# Altium PCB USB_SPI_Flash.PcbDoc
Units mm, origin at the board's own origin, x right, y up, seen from the top; angles counter-clockwise.
Board outline 48 x 25.4 mm, 2 copper layers (Top Layer, Bottom Layer); 28 components, 20 nets, 113 pads, 38 vias.
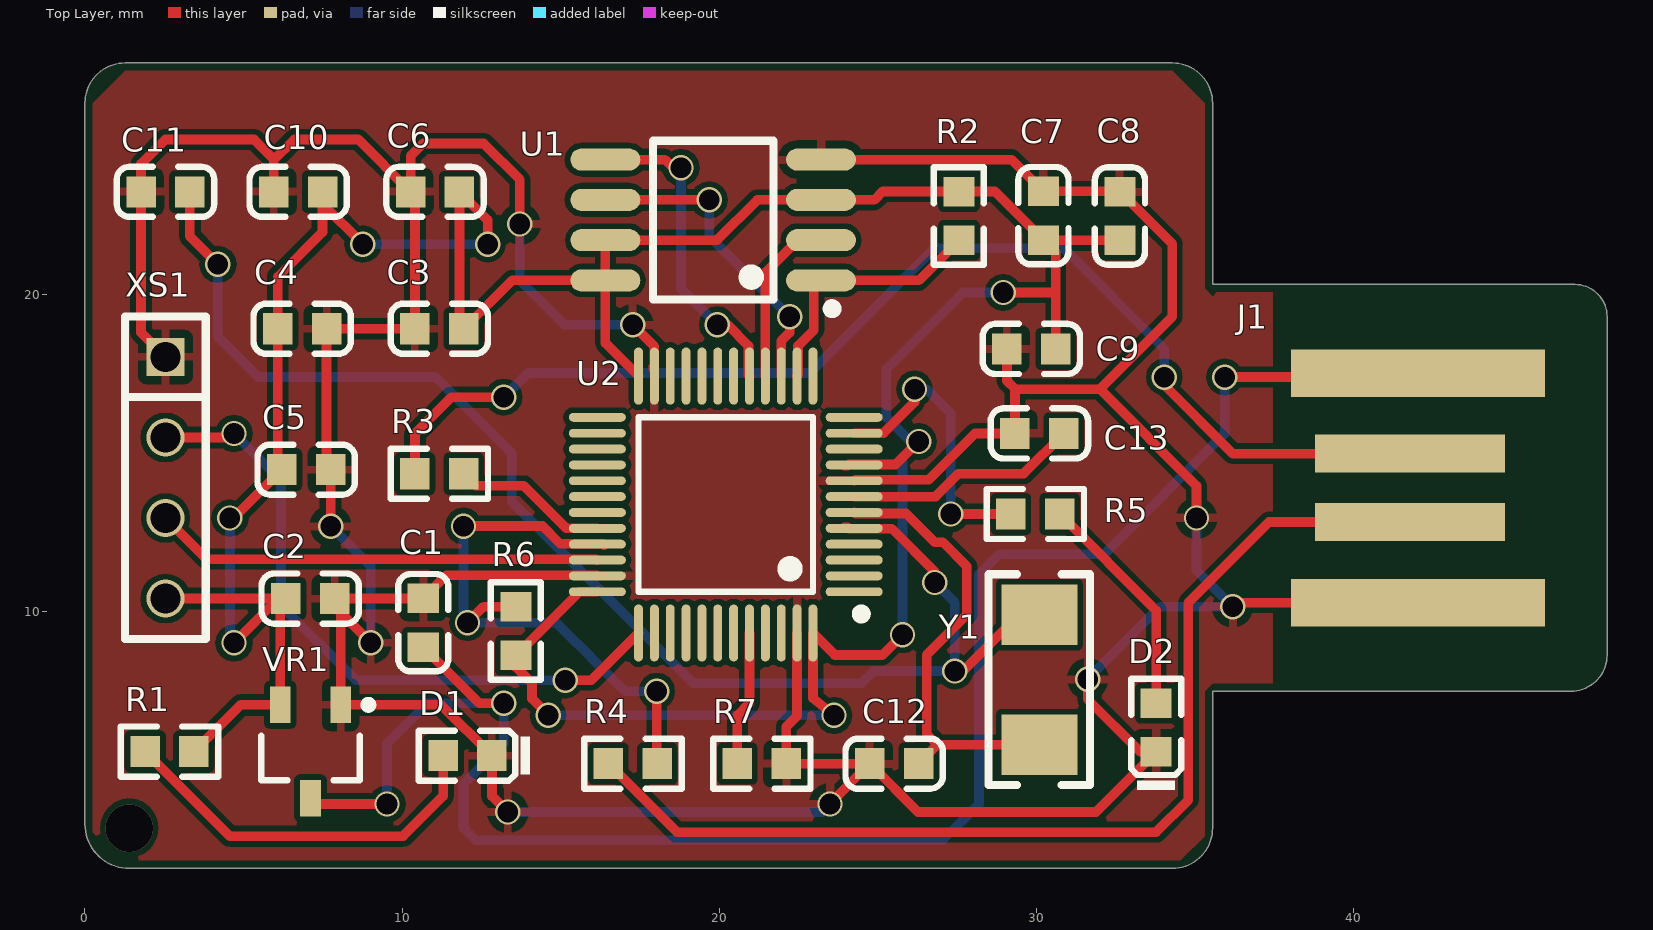
[diagram p0: Top Layer view]
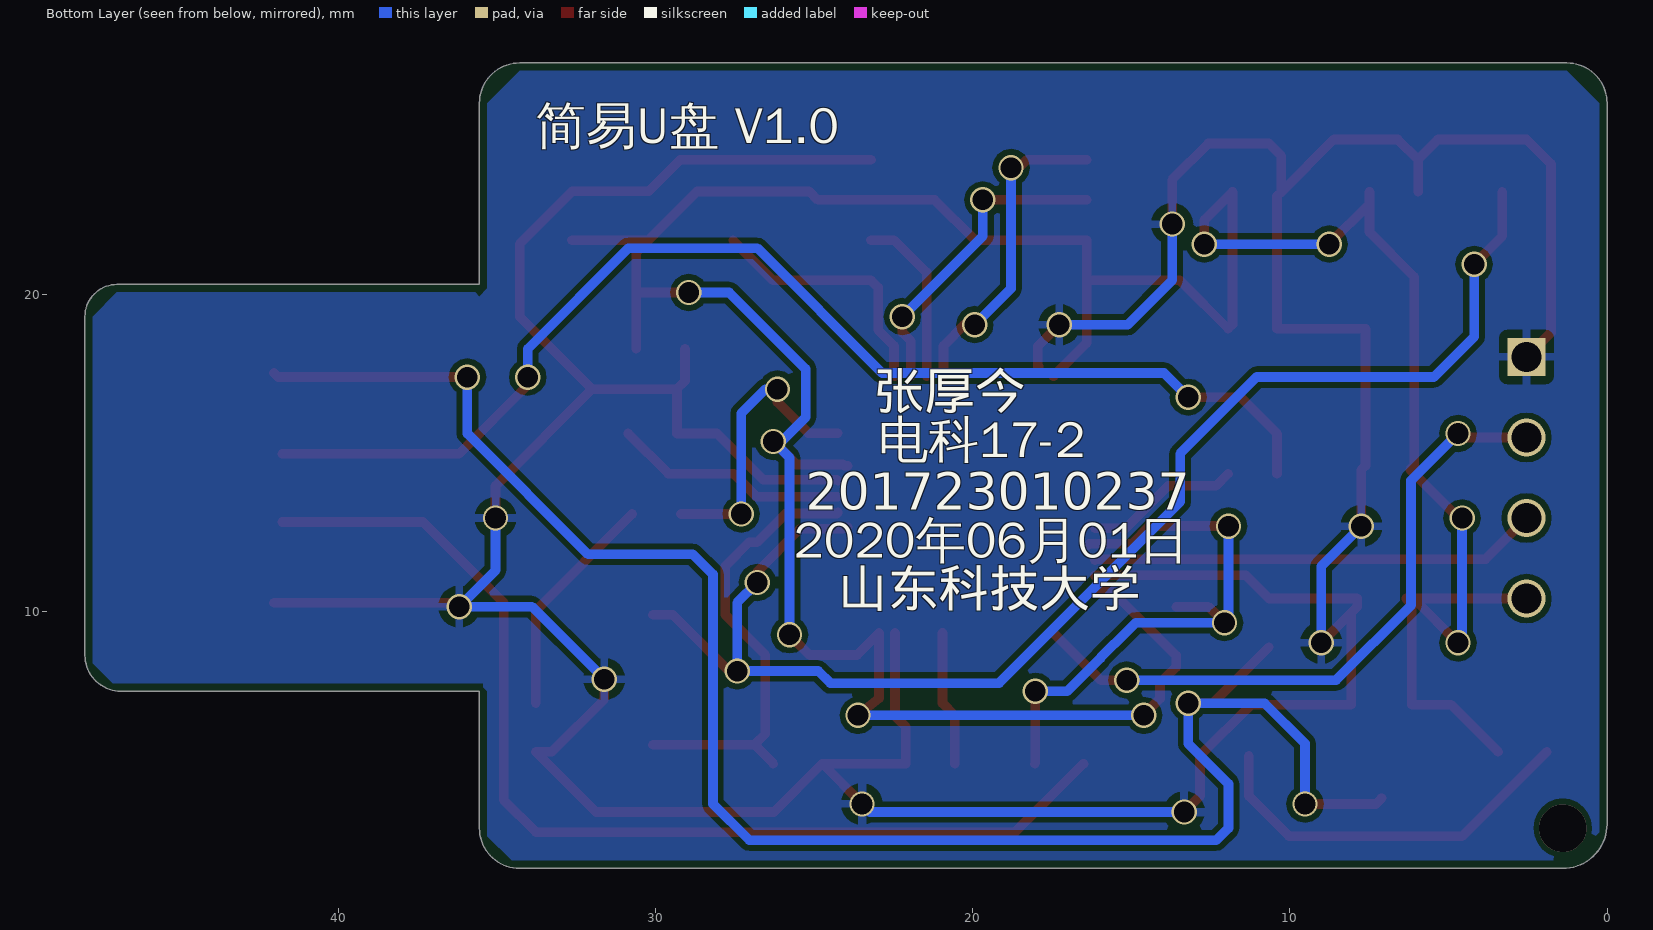
[diagram p1: Bottom Layer view, seen from below]
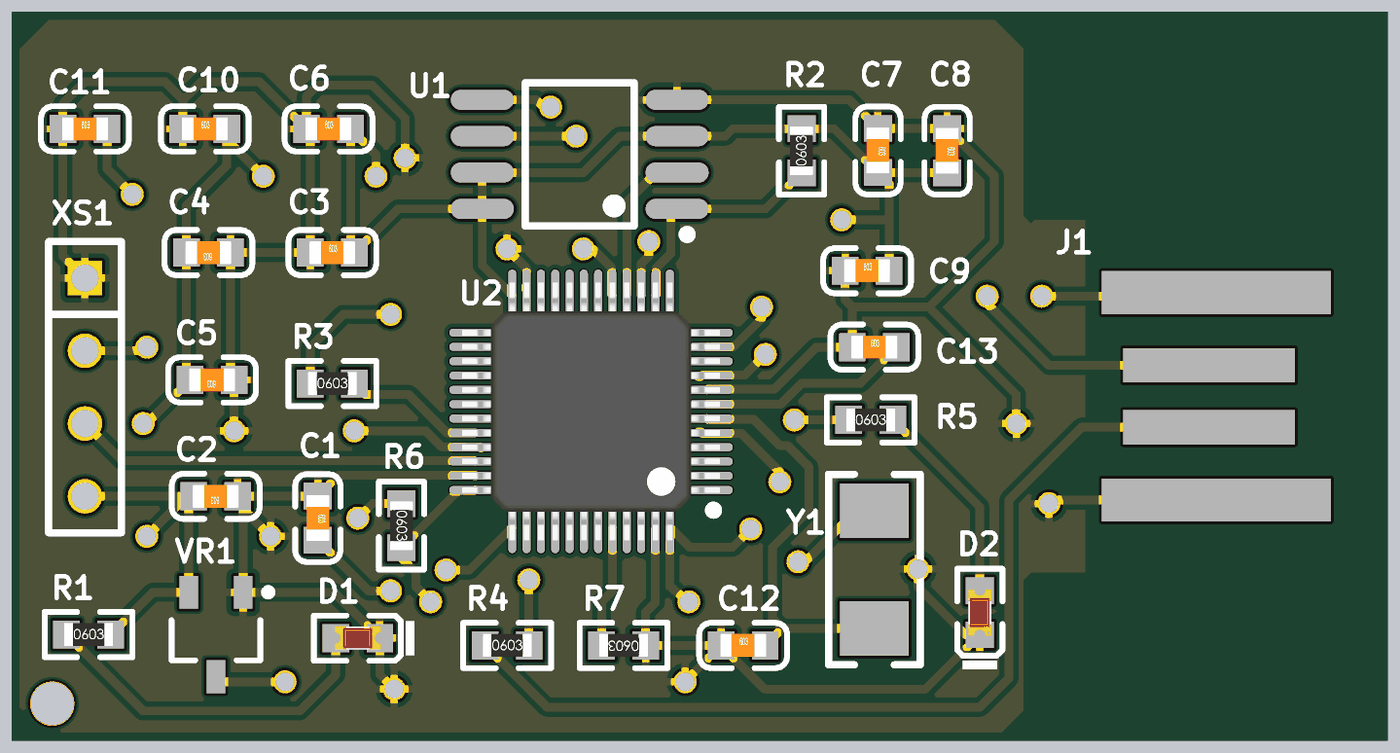
[diagram p2: 3D render of the assembled board from above, using the file's embedded part models]

## Layer stack, top to bottom
Top Solder: solder mask 0.0102, Solder Resist, Dk 3.5
Top Layer: signal copper 0.0356
Dielectric 1: dielectric 0.32, FR-4, Dk 4.8
Bottom Layer: signal copper 0.0356
Bottom Solder: solder mask 0.0102, Solder Resist, Dk 3.5

## Board outline
1.397,1.905 cw(c1.397,3.302) 0,3.302 0,26.035 cw(c1.27,26.035) 1.27,27.305 34.29,27.305 cw(c34.29,26.035) 35.56,26.035 35.56,20.32 46.99,20.32 cw(c46.987,19.307) 48,19.304 48,8.63 cw(c46.863,8.63) 46.863,7.493 35.56,7.493 35.56,3.175 cw(c34.29,3.175) 34.29,1.905

## Design rules (kind name [scope] priority, off if disabled: settings)
Clearance [All] p1: gap=0.178 ignorepadtopadclearanceinfootprint=FALSE
PolygonConnect [All] p1: connectstyle=Relief reliefconductorwidth=0.254 reliefentries=4 polygonreliefangle="90 Angle" airgapwidth=0.254
RoutingVias [All] p1: holewidth=0.711 width=1.27 viastyle="Through Hole" minholewidth=0.711 minwidth=1.27 maxholewidth=0.711 maxwidth=1.27
SolderMaskExpansion [All] p1: expansion=0.102
Width [All] p1: maxlimit=1.27 minlimit=0.254 preferedwidth=0.305
30 further rules are at their usual default settings.

## Components (designator, comment, footprint, x,y, rotation, side; value= is the part's Value field where it differs from the comment)
C1 "10uF (106) 10% 10V" 0603_C 10.668,9.652 r270 top
C2 "100nF (104) 10% 50V" 0603_C 7.104,10.414 r180 top
C3 "100nF (104) 10% 50V" 0603_C 11.176,18.923 r0 top
C4 "10uF (106) 10% 10V" 0603_C 6.85,18.923 r180 top
C5 "10uF (106) 10% 10V" 0603_C 6.977,14.478 r180 top
C6 "100nF (104) 10% 50V" 0603_C 11.041,23.241 r0 top
C7 "100nF (104) 10% 50V" 0603_C 30.226,22.487 r270 top
C8 "100nF (104) 10% 50V" 0603_C 32.639,22.479 r270 top
C9 "100nF (104) 10% 50V" 0603_C 29.845,18.288 r0 top
C10 "4.7uF (475) 10% 16V" 0603_C 6.723,23.241 r0 top
C11 "18pF (180) 5% 50V" 0603_C 2.54,23.241 r0 top
C12 "18pF (180) 5% 50V" 0603_C 25.519,5.207 r0 top
C13 "100nF (104) 10% 50V" 0603_C 30.099,15.621 r0 top
D1 "红灯 0603" 0603_LED_S1 12.065,5.461 r180 top
D2 "绿灯 0603" 0603_LED_S1 33.782,6.35 r90 top
J1 "USB" GOLDFIGER_FPC_8 46.736,7.874 r90 top
R1 "2KΩ (2001) ±1%" 0603_R 2.667,5.588 r0 top
R2 "10KΩ (1002) ±1%" 0603_R 27.559,22.479 r90 top
R3 "20Ω (20R0) ±1%" 0603_R 11.176,14.351 r0 top
R4 "20Ω (20R0) ±1%" 0603_R 17.28,5.207 r0 top
R5 "2KΩ (2001) ±1%" 0603_R 29.972,13.081 r0 top
R6 "1.5KΩ (1501) ±1%" 0603_R 13.589,9.39 r270 top
R7 "10KΩ (1002) ±1%" 0603_R 21.344,5.207 r180 top
U1 "W25Q128JVSIQTR" SOIC-8_208mil 19.812,22.352 r90 top
U2 "STM32F103C8T6" LQFP-48_7x7x05P 20.207,13.379 r90 top
VR1 "XC6206P332MR" SOT-23-3L 7.112,5.588 r90 top
XS1 "2.54单排单塑排针1*4P" PIN4 2.54,18.034 r270 top
Y1 "8MHz ±20ppm 20pF" SMD-5032_2P 30.099,7.856 r270 top

## Footprints (in the part's own frame and the unit in brackets; to place one, negate y for a bottom-side part, rotate by r counter-clockwise, add the part's x,y. Pads: shape width x height; smd on the part's side, far side on the other; paste and mask are expansions set on the pad)
0603_C [mm]
  rect 0.93x0.98 smd: 1(-0.77,0) 2(0.77,0)
  silkscreen extent -1.53,-0.79 1.54,0.79, body extent -0.8,-0.4 0.8,0.4, height 0.3
0603_LED_S1 [mm]
  rect 0.93x0.98 smd: A(0.77,0) K(-0.77,0)
  silkscreen extent -1.98,-0.79 1.54,0.79, body extent -0.8,-0.4 0.8,0.4, height 0.6
0603_R [mm]
  rect 0.93x0.98 smd: 1(-0.77,0) 2(0.77,0)
  silkscreen extent -1.53,-0.79 1.54,0.79, body extent -0.85,-0.4 0.85,0.4, height 0.56
GOLDFIGER_FPC_8 [mm]
  rect 1.5x8 smd: 1(9.652,4.699) 5(2.413,4.699)
  rect 1.2x6 smd: 2(7.112,4.953) 3(4.953,4.953)
LQFP-48_7x7x05P [mm]
  oval 0.28x1.8 smd mask+0.051: 1(-2.75,-4.05) 2(-2.25,-4.05) 3(-1.75,-4.05) 4(-1.25,-4.05) 5(-0.75,-4.05) 6(-0.25,-4.05) 7(0.25,-4.05) 8(0.75,-4.05) 9(1.25,-4.05) 10(1.75,-4.05) 11(2.25,-4.05) 12(2.75,-4.05) 25(2.75,4.05) 26(2.25,4.05) 27(1.75,4.05) 28(1.25,4.05) 29(0.75,4.05) 30(0.25,4.05) 31(-0.25,4.05) 32(-0.75,4.05) 33(-1.25,4.05) 34(-1.75,4.05) 35(-2.25,4.05) 36(-2.75,4.05)
  oval 1.8x0.28 smd mask+0.051: 13(4.05,-2.75) 14(4.05,-2.25) 15(4.05,-1.75) 16(4.05,-1.25) 17(4.05,-0.75) 18(4.05,-0.25) 19(4.05,0.25) 20(4.05,0.75) 21(4.05,1.25) 22(4.05,1.75) 23(4.05,2.25) 24(4.05,2.75) 37(-4.05,2.75) 38(-4.05,2.25) 39(-4.05,1.75) 40(-4.05,1.25) 41(-4.05,0.75) 42(-4.05,0.25) 43(-4.05,-0.25) 44(-4.05,-0.75) 45(-4.05,-1.25) 46(-4.05,-1.75) 47(-4.05,-2.25) 48(-4.05,-2.75)
  silkscreen extent -3.6,-4.43 2.75,2.75, body extent -4.5,-4.5 4.5,4.5, height 1.6
PIN4 [mm]
  rect 1.2x1.2 hole 0.95: 1(0,0)
  round 1.2 hole 0.95: 2(2.54,0) 3(5.08,0) 4(7.62,0)
  silkscreen extent -1.27,-1.27 8.89,1.27
SMD-5032_2P [mm]
  rect 1.9x2.4 smd: 1(-2.05,0) 2(2.05,0)
  silkscreen extent -3.32,-1.6 3.32,1.6
SOIC-8_208mil [mm]
  oval 0.7x2.2 smd: 1(-1.905,-3.4) 2(-0.635,-3.4) 3(0.635,-3.4) 4(1.905,-3.4) 5(1.905,3.4) 6(0.635,3.4) 7(-0.635,3.4) 8(-1.905,3.4)
  silkscreen extent -2.95,-3.9 2.5,1.9
SOT-23-3L [mm] "http://www.aosmd.com/res/packaging_information/SOT-23-3L.pdf"
  rect 1.15x0.65 smd: 1(1.475,-0.95) 2(1.475,0.95) 3(-1.475,0)
  silkscreen extent -0.9,-1.95 1.6,1.55, body extent -0.9,-1.55 0.9,1.55, height 1.25

## Part data
C1 C4 C5: library part "0603 10uF (106) 10% 10V", "贴片电容", Package=0603, SuppliersPartNumber=C19702, ComponentLink1Description=供应商链接, ComponentLink1URL=http://www.szlcsc.com/product/details_20411.html, Supplier=LC
C2 C3 C6 C7 C8 C9 C13: library part "0603 100nF (104) 10% 50V", "贴片电容", Package=0603, SuppliersPartNumber=C14663, ComponentLink1Description=供应商链接, ComponentLink1URL=http://www.szlcsc.com/product/details_15331.html, Supplier=LC
C10: library part "0603 4.7uF (475) 10% 16V", "贴片电容", Package=0603, SuppliersPartNumber=C19666, ComponentLink1Description=供应商链接, ComponentLink1URL=http://www.szlcsc.com/product/details_20375.html, Supplier=LC
C11 C12: library part "0603 18pF (180) 5% 50V", "贴片电容", Package=0603, SuppliersPartNumber=C1647, ComponentLink1Description=供应商链接, ComponentLink1URL=http://www.szlcsc.com/product/details_1999.html, Supplier=LC
D1: library part "0603 红灯", "发光二极管", Package=0603, SuppliersPartNumber=C2286, ComponentLink1Description=供应商链接, ComponentLink1URL=http://www.szlcsc.com/product/details_2659.html, Supplier=LC
D2: library part "0603 绿灯", "发光二极管", Package=0603, SuppliersPartNumber=C72043, ComponentLink1Description=供应商链接, ComponentLink1URL=http://www.szlcsc.com/product/details_73152.html, Supplier=LC
R1 R5: library part "0603 2KΩ (2001) 1%", "贴片电阻", Package=0603, SuppliersPartNumber=C22975, ComponentLink1Description=供应商链接, ComponentLink1URL=http://www.szlcsc.com/product/details_23702.html, Supplier=LC
R2 R7: library part "0603 10KΩ (1002) 1%", "贴片电阻", Package=0603, SuppliersPartNumber=C25804, ComponentLink1Description=供应商链接, ComponentLink1URL=http://www.szlcsc.com/product/details_26547.html, Supplier=LC
R3 R4: library part "0603 20Ω (20R0) 1%", "贴片电阻", Package=0603, SuppliersPartNumber=C22950, ComponentLink1Description=供应商链接, ComponentLink1URL=http://www.szlcsc.com/product/details_23677.html, Supplier=LC
R6: library part "0603 1.5KΩ (1501) 1%", "贴片电阻", Package=0603, SuppliersPartNumber=C22843, ComponentLink1Description=供应商链接, ComponentLink1URL=http://www.szlcsc.com/product/details_23570.html, Supplier=LC
U1: library part W25Q128JVSIQTR_[C97521], "Flash ROM", Package=SOIC-8, SuppliersPartNumber=C97521, ComponentLink1Description=供应商链接, ComponentLink1URL=https://item.szlcsc.com/98729.html, Supplier=LC
U2: "ARM", Package=LQFP-48_7x7x05P, SuppliersPartNumber=C8734, ComponentLink1Description=供应商链接, ComponentLink1URL=http://www.szlcsc.com/product/details_9243.html, Supplier=LC
VR1: library part "SOT-23 XC6206P332MR", "低压差线性稳压(LDO)", Package=SOT-23, SuppliersPartNumber=C5446, ComponentLink1Description=供应商链接, ComponentLink1URL=http://www.szlcsc.com/product/details_5896.html, Supplier=LC
Y1: library part "SMD-5032_2P 8MHz 20ppm 20pF", "贴片晶振", Package=SMD-5032_2P, SuppliersPartNumber=C115962, ComponentLink1Description=供应商链接, ComponentLink1URL=http://www.szlcsc.com/product/details_117214.html, Supplier=LC

## Via types
v1: diameter 0.8, hole 0.65, Top Layer to Bottom Layer, 37 vias
v2: diameter 1.5, hole 1.5, Top Layer to Bottom Layer, 1 vias

## Nets (pads, with @x,y where several pads share a name; then routed paths per layer and width w, separated by ;. In a path a pad name is that pad's centre, name@x,y a point inside that pad or via, vN(x,y) a via of type N, cw(c..) or ccw(c..) an arc to the next point about the centre after c; other vN are vias at no path point)
3V3: C2.2 C3.2 C4.2 C5.2 C6.2 C7.2 C8.2 C9.2 C10.2 R1.2 R2.2 R6.2 U1.3 U1.7 U1.8 U2.9 U2.24 U2.36 U2.48 VR1.2 XS1.4 | length 110.4
  Top Layer w0.305: XS1.4 C2.2@6.096,10.414 ; R1.2 4.912,7.063 VR1.2 6.162,10.242 C2.2 C2.2@6.096,10.414 ; v1(4.572,12.954) 4.683,12.954 C5.2 6.08,14.605 C4.2 6.08,20.558 7.493,21.971 C10.2@7.493,22.86 ; v1(4.699,9.017) C2.2@6.096,10.414 ; C10.2 C10.2@7.493,22.86 ; v1(8.763,21.59) C10.2@7.493,22.86 ; v1(12.7,21.59) 12.7,22.352 C6.2 11.811,19.058 C3.2 13.47,20.447 U1.8 ; v1(14.605,6.731) 14.605,6.748 14.097,7.256 14.097,7.747 13.589,8.255 R6.2 15.598,10.629 U2.36 U2.36@16.174,10.646 ; U2.24 16.412,18.474 U1.8 ; v1(23.622,6.731) 22.957,7.269 U2.48 23.65,8.636 25.146,8.636 v1(25.781,9.271) ; U2.9@23.946,14.599 24.045,14.599 24.087,14.641 25.563,14.641 v1(26.289,15.367) ; v1(28.956,20.066) 30.615,20.066 ; C9.2 30.615,20.066 ; C8.2 C7.2@30.234,21.709 ; U1.8 U1.7 19.939,21.717 21.209,22.987 U1.3 24.892,22.987 25.154,23.249 R2.2 28.694,23.249 C7.2 C7.2@30.234,21.709 ; C7.2@30.234,21.709 30.615,21.328 30.615,20.066
  Bottom Layer w0.305: v1(4.572,12.954) 4.572,9.144 v1(4.699,9.017) ; v1(8.763,21.59) v1(12.7,21.59) ; v1(14.605,6.731) v1(23.622,6.731) ; v1(25.781,9.271) 25.781,14.859 v1(26.289,15.367) 26.035,15.367 25.273,16.129 25.273,17.653 27.686,20.066 v1(28.956,20.066)
5V: C1.2 J1.1 VR1.3 | length 58
  Top Layer w0.305: VR1.3 7.288,3.937 v1(9.525,3.937) ; C1.2 12.438,7.112 v1(13.208,7.112) ; v1(35.941,17.399) 41.91,17.399 J1.1
  Bottom Layer w0.305: v1(9.525,3.937) 9.525,5.842 10.795,7.112 v1(13.208,7.112) 13.208,5.842 11.938,4.572 11.938,3.175 12.319,2.794 27.051,2.794 28.194,3.937 28.194,11.176 28.829,11.811 32.131,11.811 35.941,15.621 v1(35.941,17.399)
D+: R4.2 R6.1 U2.33 | length 18.7
  Top Layer w0.305: v1(11.938,12.7) 14.431,12.7 14.989,12.141 16.327,12.141 U2.33@16.369,12.099 ; v1(12.065,9.652) 12.573,10.16 R6.1 ; v1(18.034,7.493) 18.034,5.223 R4.2
  Bottom Layer w0.305: v1(11.938,12.7) 11.938,9.779 v1(12.065,9.652) 14.859,9.652 15.526,8.985 15.542,8.985 15.97,8.557 15.97,8.541 17.018,7.493 v1(18.034,7.493)
D-: R3.2 U2.32 | length 4.9
  Top Layer w0.305: R3.2 12.327,13.97 13.843,13.97 15.184,12.629 U2.32
GND: C1.1 C2.1 C3.1 C4.1 C5.1 C6.1 C7.1 C8.1 C9.1 C10.1 C11.1 C12.1 C13.1 D1.K D2.K J1.5 R7.1 U1.4 U2.8 U2.23 U2.35 U2.47 VR1.1 XS1.1 | length 152
  Top Layer w0.305: XS1.1 1.77,18.804 C11.1 1.77,24.122 2.54,24.892 5.334,24.892 5.953,24.273 5.953,24.241 ; C10.1 5.953,24.241 ; v1(7.747,12.7) C5.1 7.62,14.605 C4.1 C3.1 10.406,23.106 C6.1 ; v1(9.017,9.017) C2.1@8.062,9.972 ; v1(13.335,3.683) 12.835,4.183 D1.K 11.233,7.063 VR1.1 C2.1@8.062,9.972 ; v1(13.716,22.225) 13.716,23.622 12.573,24.765 10.668,24.765 10.271,24.368 C6.1 ; U2.35 16.157,11.146 11.392,11.146 C1.1 10.66,10.414 C2.1 7.874,10.16 C2.1@8.062,9.972 ; v1(17.272,19.05) 17.957,18.365 17.957,17.611 17.927,17.641 U2.23@17.927,17.74 ; U2.47 22.457,6.709 22.114,6.366 R7.1 C12.1 ; U1.4 29.226,24.257 C7.1 32.631,23.257 C8.1 34.29,21.598 34.29,19.304 32.004,17.018 ; v1(23.495,3.937) 23.495,3.953 C12.1 ; U2.8 24.287,14.159 26.605,14.159 28.067,15.621 C13.1 29.329,17.01 29.337,17.018 ; C9.1 29.075,17.28 29.337,17.018 ; v1(31.623,7.874) 31.623,7.239 33.282,5.58 D2.K 31.885,3.683 26.273,3.683 C12.1 ; v1(35.052,12.954) 35.052,13.97 32.004,17.018 ; v1(36.195,10.16) 36.322,10.287 J1.5 ; 5.953,24.241 6.604,24.892 8.62,24.892 C6.1 ; 29.337,17.018 32.004,17.018
  Bottom Layer w0.305: v1(7.747,12.7) 9.017,11.43 v1(9.017,9.017) ; v1(13.335,3.683) 23.241,3.683 v1(23.495,3.937) ; v1(13.716,22.225) 13.716,20.447 15.113,19.05 v1(17.272,19.05) ; v1(31.623,7.874) 33.909,10.16 v1(36.195,10.16) 35.052,11.303 v1(35.052,12.954)
NetC11_2: C11.2 U2.5 Y1.1 | length 44
  Top Layer w0.305: C11.2 3.31,21.836 v1(4.191,20.955) ; U2.5@23.946,12.659 24.045,12.659 24.087,12.617 25.443,12.617 26.797,11.263 v1(26.797,10.922) ; v1(27.432,8.128) 27.686,8.128 29.464,9.906 Y1.1
  Bottom Layer w0.305: v1(4.191,20.955) 4.191,18.669 5.461,17.399 11.049,17.399 13.462,14.986 13.462,13.462 19.177,7.747 24.494,7.747 24.875,8.128 v1(27.432,8.128) 27.432,10.287 v1(26.797,10.922)
NetC12_2: C12.2 U2.6 Y1.2 | length 14.6
  Top Layer w0.305: U2.6 24.287,13.099 25.89,13.099 26.797,12.192 27.051,12.192 27.813,11.43 27.813,9.906 26.543,8.636 26.543,6.151 26.888,5.806 ; C12.2 26.888,5.806 ; Y1.2 26.888,5.806
NetC13_2: C13.2 U2.7 | length 7.4
  Top Layer w0.305: U2.7 26.82,13.629 27.542,14.351 29.599,14.351 C13.2
NetD1_A: D1.A R1.1 | length 12.3
  Top Layer w0.305: R1.1 4.564,2.921 10.033,2.921 11.295,4.183 D1.A
NetD2_A: D2.A R5.2 | length 7.2
  Top Layer w0.305: R5.2 33.782,10.041 D2.A
NetJ1_2: J1.2 R3.1 | length 38.4
  Top Layer w0.305: R3.1 10.406,15.613 11.557,16.764 v1(13.208,16.764) ; v1(34.036,17.399) 34.036,17.145 36.195,14.986 J1.2
  Bottom Layer w0.305: v1(13.208,16.764) 13.97,17.526 22.86,17.526 26.797,21.463 30.861,21.463 34.036,18.288 v1(34.036,17.399)
NetJ1_3: J1.3 R4.1 | length 33.9
  Top Layer w0.305: R4.1 18.669,3.048 33.782,3.048 34.798,4.064 34.798,10.287 37.338,12.827 J1.3
NetR5_1: R5.1 U2.11 | length 9.3
  Top Layer w0.305: U2.11 25.182,15.629 26.162,16.609 v1(26.162,17.018) ; v1(27.305,13.081) R5.1
  Bottom Layer w0.305: v1(26.162,17.018) 26.543,17.018 27.305,16.256 v1(27.305,13.081)
NetR7_2: R7.2 U2.44 | length 4.3
  Top Layer w0.305: R7.2 20.574,6.731 20.957,7.114 U2.44
SPI_CS: R2.1 U1.1 U2.14 | length 8.2
  Top Layer w0.305: U2.14 22.487,17.459 22.487,18.384 22.987,18.884 22.987,20.222 U1.1 26.297,20.447 R2.1
SPI_MISO: U1.2 U2.16 | length 5.4
  Top Layer w0.305: U2.16 21.457,20.695 22.479,21.717 U1.2
SPI_MOSI: U1.5 U2.17 | length 10.6
  Top Layer w0.305: U1.5 18.288,24.257 18.542,24.003 v1(18.796,24.003) ; v1@19.939,19.236 v1(19.939,19.05) 20.261,19.05 20.927,18.384 20.927,17.459 U2.17
  Bottom Layer w0.305: v1(18.796,24.003) 18.796,20.193 v1(19.939,19.05) v1@19.939,19.304
SPI_SCK: U1.6 U2.15 | length 10
  Top Layer w0.305: U1.6 v1(19.685,22.987) ; U2.15 21.957,18.536 22.225,18.804 v1(22.225,19.304)
  Bottom Layer w0.305: v1(19.685,22.987) 19.685,21.844 v1(22.225,19.304)
SWCLK: U2.37 XS1.2 | length 21.1
  Top Layer w0.305: XS1.2 4.572,15.494 v1(4.699,15.621) ; v1(15.145,7.842) 15.97,7.842 U2.37
  Bottom Layer w0.305: v1(4.699,15.621) 6.183,14.137 6.183,10.2 8.541,7.842 v1(15.145,7.842)
SWDIO: U2.34 XS1.3 | length 14.2
  Top Layer w0.305: XS1.3 3.835,11.659 16.127,11.659 U2.34
pads on no net: U2.1 U2.2 U2.3 U2.4 U2.10 U2.12 U2.13 U2.18 U2.19 U2.20 U2.21 U2.22 U2.25 U2.26 U2.27 U2.28 U2.29 U2.30 U2.31 U2.38 U2.39 U2.40 U2.41 U2.42 U2.43 U2.45 U2.46
copper on no net:
  other v2: 1.397,3.175

## Polygon pours and split planes (outlines as drawn)
GND on Bottom Layer "Bottom GND Net" (solid, remove dead copper, pour order 12): 0.254,26.035 1.27,27.051 34.29,27.051 35.306,26.035 35.306,20.193 35.56,19.939 35.687,20.066 46.99,20.066 47.752,19.304 47.752,8.382 47.117,7.747 35.433,7.747 35.433,7.62 35.306,7.493 35.306,2.921 34.544,2.159 1.143,2.159 0.254,3.048
GND on Top Layer "Bottom GND Net" (solid, remove dead copper, pour order 14): 0.254,26.035 1.27,27.051 34.29,27.051 35.306,26.035 35.306,20.193 35.56,19.939 35.687,20.066 37.465,20.066 37.465,7.747 35.56,7.747 35.306,7.493 35.306,2.921 34.544,2.159 1.143,2.159 0.254,3.048

## Silkscreen, mask and mechanical layers (free items; w line width, h text height)
Bottom Overlay:
  text "简易U盘 V1.0" at 33.782,24.384 h2
  text "张厚今" at 23.114,16.002 h2
  text "电科17-2" at 22.987,14.478 h2
  text "201723010237" at 25.273,12.827 h2
  text "2020年06月01日" at 25.654,11.303 h2
  text "山东科技大学" at 24.257,9.779 h2
Mechanical 1:
  lines w0.254: 0,3.302 ccw(c1.397,3.302) 1.397,1.905 34.29,1.905 ccw(c34.29,3.175) 35.56,3.175 35.56,7.493 46.863,7.493 ccw(c46.863,8.63) 48,8.63 48,19.304 ccw(c46.987,19.307) 46.99,20.32 35.56,20.32 35.56,21.463 35.56,26.035 ccw(c34.29,26.035) 34.29,27.305 1.27,27.305 ccw(c1.27,26.035) 0,26.035 0,3.302